# Altium PCB WordClock2.PcbDoc (part 1 of 3) (continued)
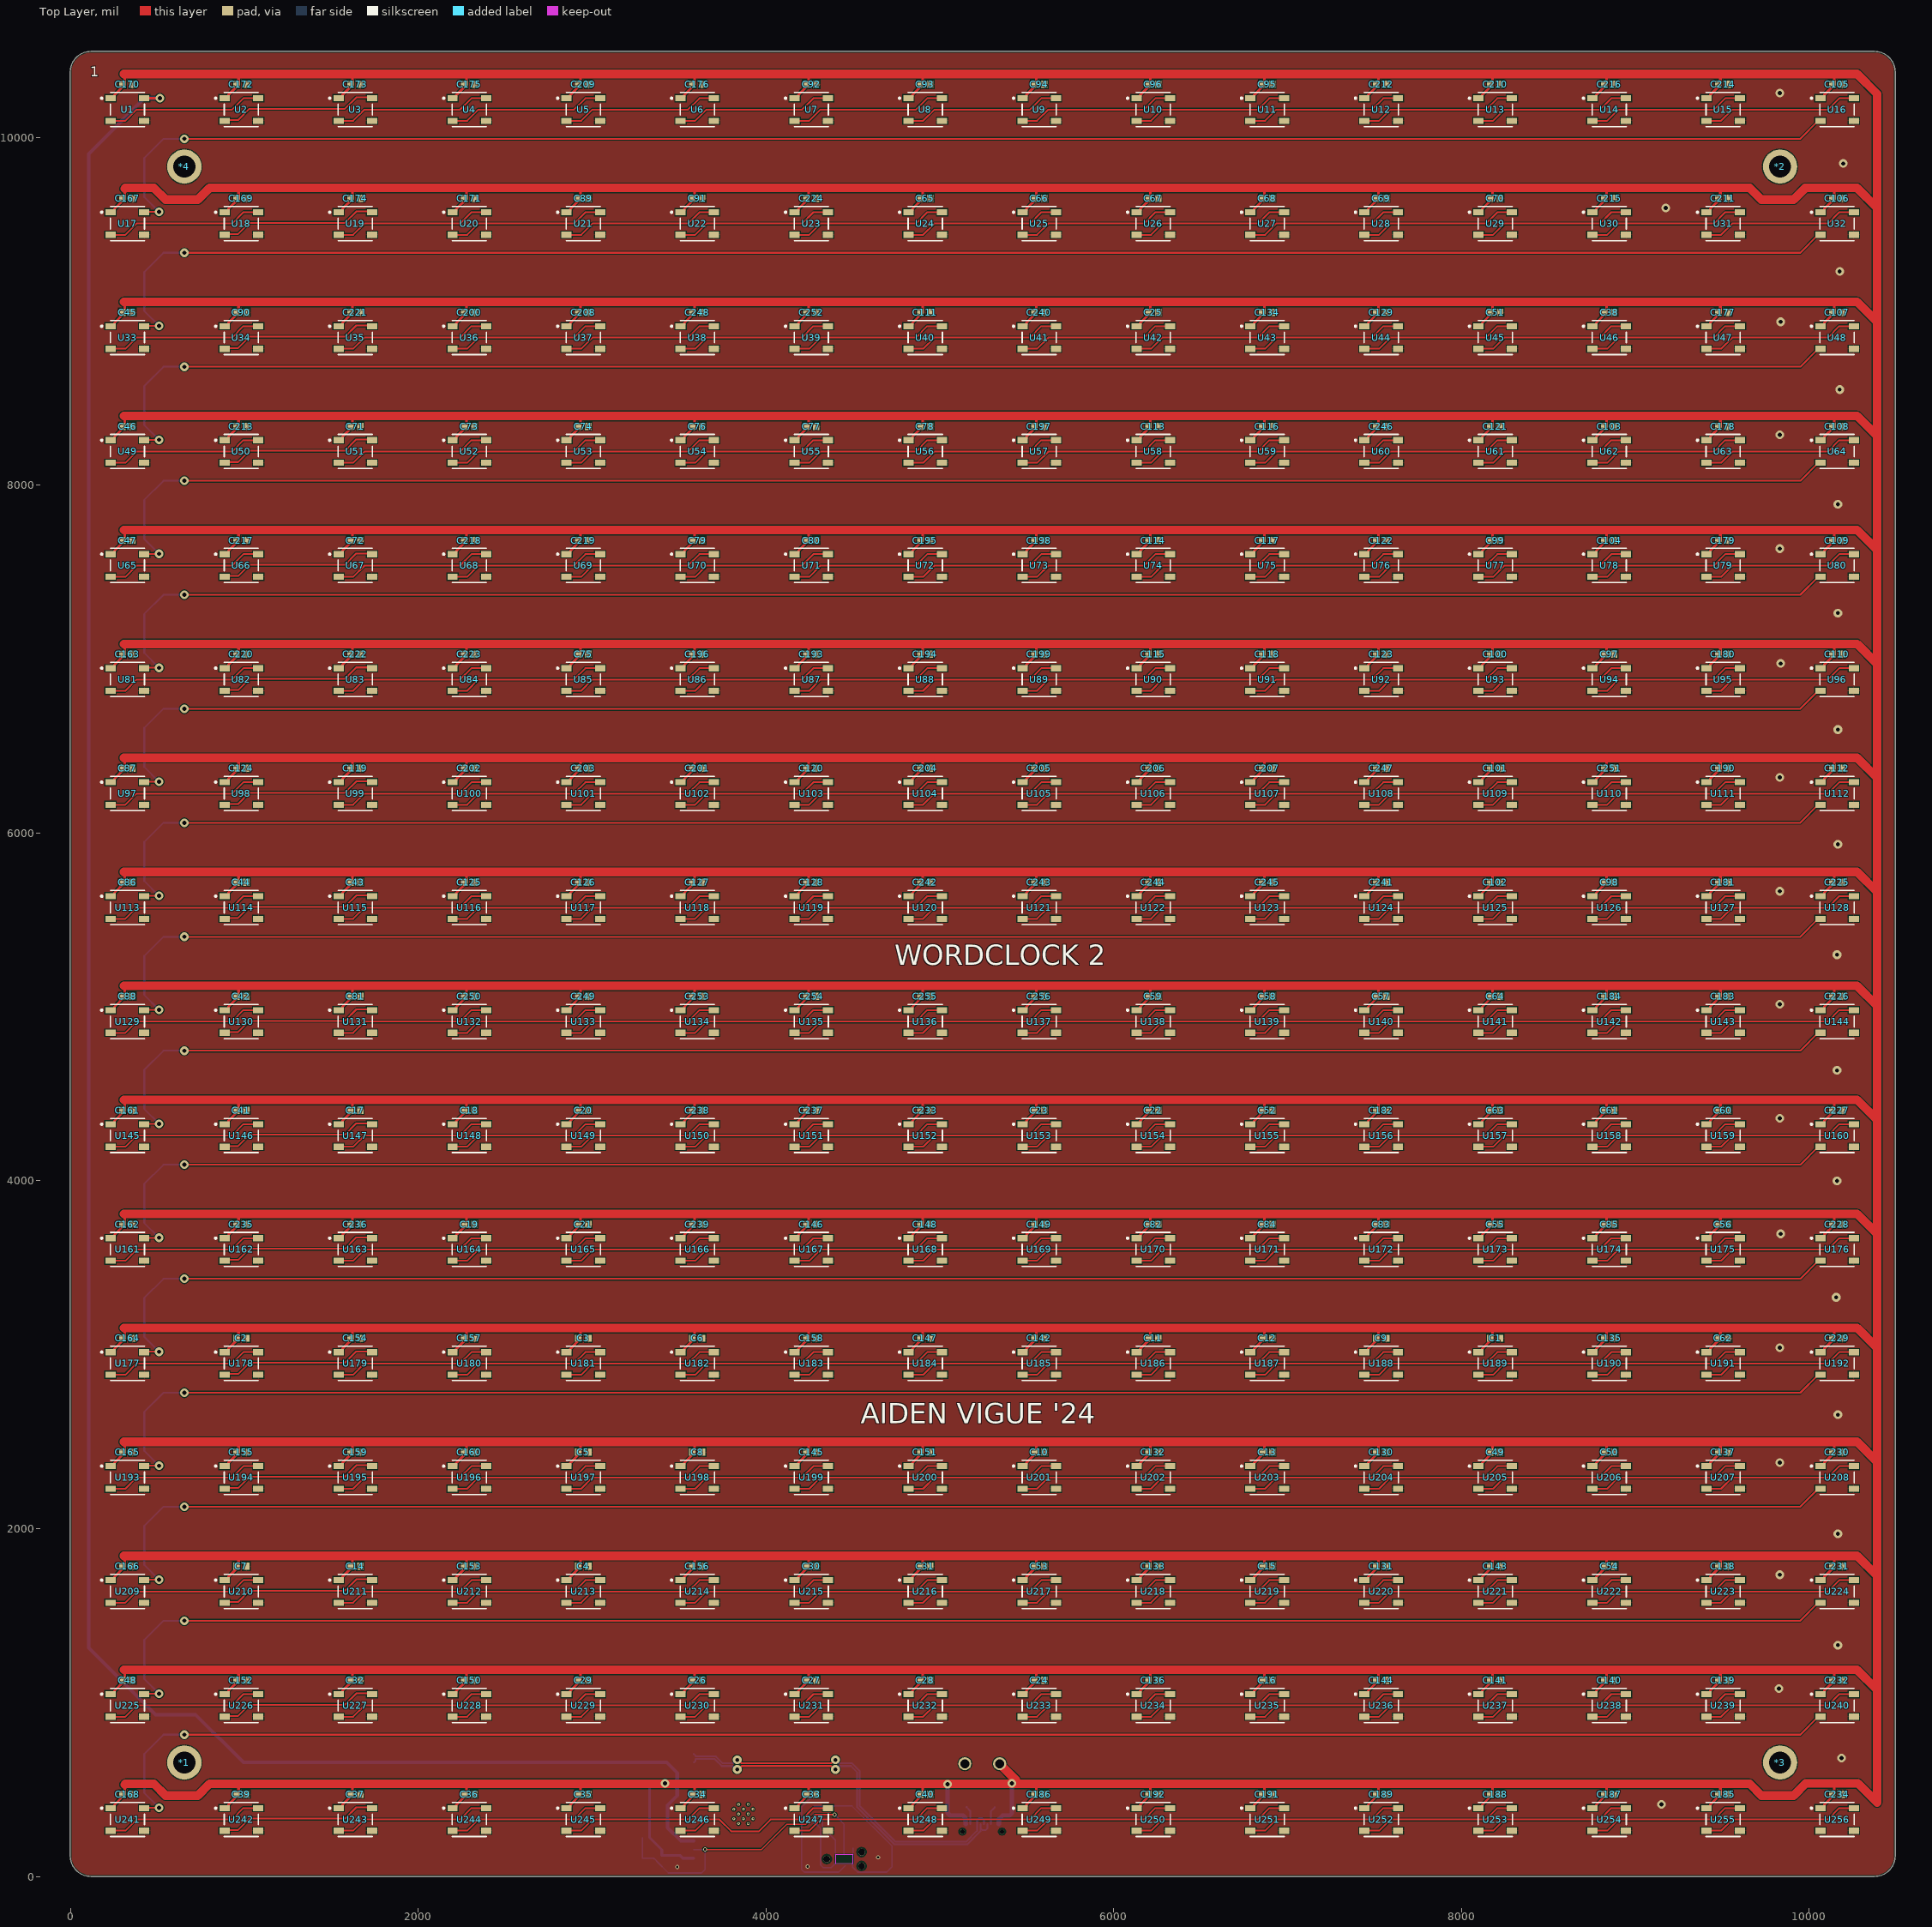
[diagram p0: Top Layer view]
## Components (designator, comment, footprint, x,y, rotation, side; value= is the part's Value field where it differs from the comment) (continued)
C106 "GRM188R71H104KA93D" CAPC1608X90X35ML10T15 10160.43,9649.92 r0 top
C107 "GRM188R71H104KA93D" CAPC1608X90X35ML10T15 10160.43,8994.41 r0 top
C108 "GRM188R71H104KA93D" CAPC1608X90X35ML10T15 10160.43,8338.9 r0 top
C109 "GRM188R71H104KA93D" CAPC1608X90X35ML10T15 10160.43,7683.39 r0 top
C110 "GRM188R71H104KA93D" CAPC1608X90X35ML10T15 10160.43,7027.87 r0 top
C111 "GRM188R71H104KA93D" CAPC1608X90X35ML10T15 4916.34,8994.41 r0 top
C112 "GRM188R71H104KA93D" CAPC1608X90X35ML10T15 10160.43,6372.36 r0 top
C113 "GRM188R71H104KA93D" CAPC1608X90X35ML10T15 6227.36,8338.9 r0 top
C114 "GRM188R71H104KA93D" CAPC1608X90X35ML10T15 6227.36,7683.39 r0 top
C115 "GRM188R71H104KA93D" CAPC1608X90X35ML10T15 6227.36,7027.87 r0 top
C116 "GRM188R71H104KA93D" CAPC1608X90X35ML10T15 6882.87,8338.9 r0 top
C117 "GRM188R71H104KA93D" CAPC1608X90X35ML10T15 6882.87,7683.39 r0 top
C118 "GRM188R71H104KA93D" CAPC1608X90X35ML10T15 6882.87,7027.87 r0 top
C119 "GRM188R71H104KA93D" CAPC1608X90X35ML10T15 1638.78,6372.36 r0 top
C120 "GRM188R71H104KA93D" CAPC1608X90X35ML10T15 4260.83,6372.36 r0 top
C121 "GRM188R71H104KA93D" CAPC1608X90X35ML10T15 8193.9,8338.9 r0 top
C122 "GRM188R71H104KA93D" CAPC1608X90X35ML10T15 7538.39,7683.39 r0 top
C123 "GRM188R71H104KA93D" CAPC1608X90X35ML10T15 7538.39,7027.87 r0 top
C124 "GRM188R71H104KA93D" CAPC1608X90X35ML10T15 983.27,6372.36 r0 top
C125 "GRM188R71H104KA93D" CAPC1608X90X35ML10T15 2294.29,5716.85 r0 top
C126 "GRM188R71H104KA93D" CAPC1608X90X35ML10T15 2949.8,5716.85 r0 top
C127 "GRM188R71H104KA93D" CAPC1608X90X35ML10T15 3605.31,5716.85 r0 top
C128 "GRM188R71H104KA93D" CAPC1608X90X35ML10T15 4260.83,5716.85 r0 top
C129 "GRM188R71H104KA93D" CAPC1608X90X35ML10T15 7538.39,8994.41 r0 top
C130 "GRM188R71H104KA93D" CAPC1608X90X35ML10T15 7538.39,2439.29 r0 top
C131 "GRM188R71H104KA93D" CAPC1608X90X35ML10T15 7538.39,1783.78 r0 top
C132 "GRM188R71H104KA93D" CAPC1608X90X35ML10T15 6227.36,2439.29 r0 top
C133 "GRM188R71H104KA93D" CAPC1608X90X35ML10T15 6227.36,1783.78 r0 top
C134 "GRM188R71H104KA93D" CAPC1608X90X35ML10T15 6882.87,8994.41 r0 top
C135 "GRM188R71H104KA93D" CAPC1608X90X35ML10T15 8849.41,3094.8 r0 top
C136 "GRM188R71H104KA93D" CAPC1608X90X35ML10T15 6227.36,1128.27 r0 top
C137 "GRM188R71H104KA93D" CAPC1608X90X35ML10T15 9504.92,2439.29 r0 top
C138 "GRM188R71H104KA93D" CAPC1608X90X35ML10T15 9504.92,1783.78 r0 top
C139 "GRM188R71H104KA93D" CAPC1608X90X35ML10T15 9504.92,1128.27 r0 top
C140 "GRM188R71H104KA93D" CAPC1608X90X35ML10T15 8849.41,1128.27 r0 top
C141 "GRM188R71H104KA93D" CAPC1608X90X35ML10T15 8193.9,1128.27 r0 top
C142 "GRM188R71H104KA93D" CAPC1608X90X35ML10T15 5571.85,3094.8 r0 top
C143 "GRM188R71H104KA93D" CAPC1608X90X35ML10T15 8193.9,1783.78 r0 top
C144 "GRM188R71H104KA93D" CAPC1608X90X35ML10T15 7538.39,1128.27 r0 top
C145 "GRM188R71H104KA93D" CAPC1608X90X35ML10T15 4260.83,2439.29 r0 top
C146 "GRM188R71H104KA93D" CAPC1608X90X35ML10T15 4260.83,3750.32 r0 top
C147 "GRM188R71H104KA93D" CAPC1608X90X35ML10T15 4916.34,3094.8 r0 top
C148 "GRM188R71H104KA93D" CAPC1608X90X35ML10T15 4916.34,3750.32 r0 top
C149 "GRM188R71H104KA93D" CAPC1608X90X35ML10T15 5571.85,3750.32 r0 top
C150 "GRM188R71H104KA93D" CAPC1608X90X35ML10T15 2294.29,1128.27 r0 top
C151 "GRM188R71H104KA93D" CAPC1608X90X35ML10T15 4916.34,2439.29 r0 top
C152 "GRM188R71H104KA93D" CAPC1608X90X35ML10T15 983.27,1128.27 r0 top
C153 "GRM188R71H104KA93D" CAPC1608X90X35ML10T15 2294.29,1783.78 r0 top
C154 "GRM188R71H104KA93D" CAPC1608X90X35ML10T15 1638.78,3094.8 r0 top
C155 "GRM188R71H104KA93D" CAPC1608X90X35ML10T15 983.27,2439.29 r0 top
C156 "GRM188R71H104KA93D" CAPC1608X90X35ML10T15 3605.31,1783.78 r0 top
C157 "GRM188R71H104KA93D" CAPC1608X90X35ML10T15 2294.29,3094.8 r0 top
C158 "GRM188R71H104KA93D" CAPC1608X90X35ML10T15 4260.83,3094.8 r0 top
C159 "GRM188R71H104KA93D" CAPC1608X90X35ML10T15 1638.78,2439.29 r0 top
C160 "GRM188R71H104KA93D" CAPC1608X90X35ML10T15 2294.29,2439.29 r0 top
C161 "GRM188R71H104KA93D" CAPC1608X90X35ML10T15 327.76,4405.83 r0 top
C162 "GRM188R71H104KA93D" CAPC1608X90X35ML10T15 327.76,3750.32 r0 top
C163 "GRM188R71H104KA93D" CAPC1608X90X35ML10T15 327.76,7027.87 r0 top
C164 "GRM188R71H104KA93D" CAPC1608X90X35ML10T15 327.76,3094.8 r0 top
C165 "GRM188R71H104KA93D" CAPC1608X90X35ML10T15 327.76,2439.29 r0 top
C166 "GRM188R71H104KA93D" CAPC1608X90X35ML10T15 327.76,1783.78 r0 top
C167 "GRM188R71H104KA93D" CAPC1608X90X35ML10T15 327.76,9649.92 r0 top
C168 "GRM188R71H104KA93D" CAPC1608X90X35ML10T15 327.76,472.76 r0 top
C169 "GRM188R71H104KA93D" CAPC1608X90X35ML10T15 983.27,9649.92 r0 top
C170 "GRM188R71H104KA93D" CAPC1608X90X35ML10T15 327.76,10305.43 r0 top
C171 "GRM188R71H104KA93D" CAPC1608X90X35ML10T15 2294.29,9649.92 r0 top
C172 "GRM188R71H104KA93D" CAPC1608X90X35ML10T15 983.27,10305.43 r0 top
C173 "GRM188R71H104KA93D" CAPC1608X90X35ML10T15 1638.78,10305.43 r0 top
C174 "GRM188R71H104KA93D" CAPC1608X90X35ML10T15 1638.78,9649.92 r0 top
C175 "GRM188R71H104KA93D" CAPC1608X90X35ML10T15 2294.29,10305.43 r0 top
C176 "GRM188R71H104KA93D" CAPC1608X90X35ML10T15 3605.31,10305.43 r0 top
C177 "GRM188R71H104KA93D" CAPC1608X90X35ML10T15 9504.92,8994.41 r0 top
C178 "GRM188R71H104KA93D" CAPC1608X90X35ML10T15 9504.92,8338.9 r0 top
C179 "GRM188R71H104KA93D" CAPC1608X90X35ML10T15 9504.92,7683.39 r0 top
C180 "GRM188R71H104KA93D" CAPC1608X90X35ML10T15 9504.92,7027.87 r0 top
C181 "GRM188R71H104KA93D" CAPC1608X90X35ML10T15 9504.92,5716.85 r0 top
C182 "GRM188R71H104KA93D" CAPC1608X90X35ML10T15 7538.39,4405.83 r0 top
C183 "GRM188R71H104KA93D" CAPC1608X90X35ML10T15 9504.92,5061.34 r0 top
C184 "GRM188R71H104KA93D" CAPC1608X90X35ML10T15 8849.41,5061.34 r0 top
C185 "GRM188R71H104KA93D" CAPC1608X90X35ML10T15 9504.92,472.76 r0 top
C186 "GRM188R71H104KA93D" CAPC1608X90X35ML10T15 5571.85,472.76 r0 top
C187 "GRM188R71H104KA93D" CAPC1608X90X35ML10T15 8849.41,472.76 r0 top
C188 "GRM188R71H104KA93D" CAPC1608X90X35ML10T15 8193.9,472.76 r0 top
C189 "GRM188R71H104KA93D" CAPC1608X90X35ML10T15 7538.39,472.76 r0 top
C190 "GRM188R71H104KA93D" CAPC1608X90X35ML10T15 9504.92,6372.36 r0 top
C191 "GRM188R71H104KA93D" CAPC1608X90X35ML10T15 6882.87,472.76 r0 top
C192 "GRM188R71H104KA93D" CAPC1608X90X35ML10T15 6227.36,472.76 r0 top
C193 "GRM188R71H104KA93D" CAPC1608X90X35ML10T15 4260.83,7027.87 r0 top
C194 "GRM188R71H104KA93D" CAPC1608X90X35ML10T15 4916.34,7027.87 r0 top
C195 "GRM188R71H104KA93D" CAPC1608X90X35ML10T15 4916.34,7683.39 r0 top
C196 "GRM188R71H104KA93D" CAPC1608X90X35ML10T15 3605.31,7027.87 r0 top
C197 "GRM188R71H104KA93D" CAPC1608X90X35ML10T15 5571.85,8338.9 r0 top
C198 "GRM188R71H104KA93D" CAPC1608X90X35ML10T15 5571.85,7683.39 r0 top
C199 "GRM188R71H104KA93D" CAPC1608X90X35ML10T15 5571.85,7027.87 r0 top
C200 "GRM188R71H104KA93D" CAPC1608X90X35ML10T15 2294.29,8994.41 r0 top
C201 "GRM188R71H104KA93D" CAPC1608X90X35ML10T15 3605.31,6372.36 r0 top
C202 "GRM188R71H104KA93D" CAPC1608X90X35ML10T15 2294.29,6372.36 r0 top
C203 "GRM188R71H104KA93D" CAPC1608X90X35ML10T15 2949.8,6372.36 r0 top
C204 "GRM188R71H104KA93D" CAPC1608X90X35ML10T15 4916.34,6372.36 r0 top
C205 "GRM188R71H104KA93D" CAPC1608X90X35ML10T15 5571.85,6372.36 r0 top
C206 "GRM188R71H104KA93D" CAPC1608X90X35ML10T15 6227.36,6372.36 r0 top
C207 "GRM188R71H104KA93D" CAPC1608X90X35ML10T15 6882.87,6372.36 r0 top
C208 "GRM188R71H104KA93D" CAPC1608X90X35ML10T15 2949.8,8994.41 r0 top
C209 "GRM188R71H104KA93D" CAPC1608X90X35ML10T15 2949.8,10305.43 r0 top
C210 "GRM188R71H104KA93D" CAPC1608X90X35ML10T15 8193.9,10305.43 r0 top
C211 "GRM188R71H104KA93D" CAPC1608X90X35ML10T15 9504.92,9649.92 r0 top
C212 "GRM188R71H104KA93D" CAPC1608X90X35ML10T15 7538.39,10305.43 r0 top
C213 "GRM188R71H104KA93D" CAPC1608X90X35ML10T15 983.27,8338.9 r0 top
C214 "GRM188R71H104KA93D" CAPC1608X90X35ML10T15 9504.92,10305.43 r0 top
C215 "GRM188R71H104KA93D" CAPC1608X90X35ML10T15 8849.41,9649.92 r0 top
C216 "GRM188R71H104KA93D" CAPC1608X90X35ML10T15 8849.41,10305.43 r0 top
C217 "GRM188R71H104KA93D" CAPC1608X90X35ML10T15 983.27,7683.39 r0 top
C218 "GRM188R71H104KA93D" CAPC1608X90X35ML10T15 2294.29,7683.39 r0 top
C219 "GRM188R71H104KA93D" CAPC1608X90X35ML10T15 2949.8,7683.39 r0 top
C220 "GRM188R71H104KA93D" CAPC1608X90X35ML10T15 983.27,7027.87 r0 top
C221 "GRM188R71H104KA93D" CAPC1608X90X35ML10T15 1638.78,8994.41 r0 top
C222 "GRM188R71H104KA93D" CAPC1608X90X35ML10T15 1638.78,7027.87 r0 top
C223 "GRM188R71H104KA93D" CAPC1608X90X35ML10T15 2294.29,7027.87 r0 top
C224 "GRM188R71H104KA93D" CAPC1608X90X35ML10T15 4260.83,9649.92 r0 top
C225 "GRM188R71H104KA93D" CAPC1608X90X35ML10T15 10160.43,5716.85 r0 top
C226 "GRM188R71H104KA93D" CAPC1608X90X35ML10T15 10160.43,5061.34 r0 top
C227 "GRM188R71H104KA93D" CAPC1608X90X35ML10T15 10160.43,4405.83 r0 top
C228 "GRM188R71H104KA93D" CAPC1608X90X35ML10T15 10160.43,3750.32 r0 top
C229 "GRM188R71H104KA93D" CAPC1608X90X35ML10T15 10160.43,3094.8 r0 top
C230 "GRM188R71H104KA93D" CAPC1608X90X35ML10T15 10160.43,2439.29 r0 top
C231 "GRM188R71H104KA93D" CAPC1608X90X35ML10T15 10160.43,1783.78 r0 top
C232 "GRM188R71H104KA93D" CAPC1608X90X35ML10T15 10160.43,1128.27 r0 top
C233 "GRM188R71H104KA93D" CAPC1608X90X35ML10T15 4916.34,4405.83 r0 top
C234 "GRM188R71H104KA93D" CAPC1608X90X35ML10T15 10160.43,472.76 r0 top
C235 "GRM188R71H104KA93D" CAPC1608X90X35ML10T15 983.27,3750.32 r0 top
C236 "GRM188R71H104KA93D" CAPC1608X90X35ML10T15 1638.78,3750.32 r0 top
C237 "GRM188R71H104KA93D" CAPC1608X90X35ML10T15 4260.83,4405.83 r0 top
C238 "GRM188R71H104KA93D" CAPC1608X90X35ML10T15 3605.31,4405.83 r0 top
C239 "GRM188R71H104KA93D" CAPC1608X90X35ML10T15 3605.31,3750.32 r0 top
C240 "GRM188R71H104KA93D" CAPC1608X90X35ML10T15 5571.85,8994.41 r0 top
C241 "GRM188R71H104KA93D" CAPC1608X90X35ML10T15 7538.39,5716.85 r0 top
C242 "GRM188R71H104KA93D" CAPC1608X90X35ML10T15 4916.34,5716.85 r0 top
C243 "GRM188R71H104KA93D" CAPC1608X90X35ML10T15 5571.85,5716.85 r0 top
C244 "GRM188R71H104KA93D" CAPC1608X90X35ML10T15 6227.36,5716.85 r0 top
C245 "GRM188R71H104KA93D" CAPC1608X90X35ML10T15 6882.87,5716.85 r0 top
C246 "GRM188R71H104KA93D" CAPC1608X90X35ML10T15 7538.39,8338.9 r0 top
C247 "GRM188R71H104KA93D" CAPC1608X90X35ML10T15 7538.39,6372.36 r0 top
C248 "GRM188R71H104KA93D" CAPC1608X90X35ML10T15 3605.31,8994.41 r0 top
C249 "GRM188R71H104KA93D" CAPC1608X90X35ML10T15 2949.8,5061.34 r0 top
C250 "GRM188R71H104KA93D" CAPC1608X90X35ML10T15 2294.29,5061.34 r0 top
C251 "GRM188R71H104KA93D" CAPC1608X90X35ML10T15 8849.41,6372.36 r0 top
C252 "GRM188R71H104KA93D" CAPC1608X90X35ML10T15 4260.83,8994.41 r0 top
C253 "GRM188R71H104KA93D" CAPC1608X90X35ML10T15 3605.31,5061.34 r0 top
C254 "GRM188R71H104KA93D" CAPC1608X90X35ML10T15 4260.83,5061.34 r0 top
C255 "GRM188R71H104KA93D" CAPC1608X90X35ML10T15 4916.34,5061.34 r0 top
C256 "GRM188R71H104KA93D" CAPC1608X90X35ML10T15 5571.85,5061.34 r0 top
C257 "CL05A226MQ5QUNC" FP-CL746-IPC_C 3401.04,105 r270 bottom
C258 "CL05A226MQ5QUNC" FP-CL746-IPC_C 3467.08,105 r270 bottom
E1 "1760490000" PM_5_08_90_02 5244.09,656 r180 bottom
J1 "USB4110-GF-A" FP-USB4110-GF-A-MFG 5244.09,155 r180 bottom
J2 "TC2030-IDC-NL" TAG_TC2030-IDC-NL 4450,100 r0 bottom
R1 "CRCW060310K0FKEA" RESC1609X50X30NL8T20 3315,223.2 r180 bottom
R2 "CRCW06035K10FKEA" FP-CRCW0603-e3-IPC_C 5340,398.79 r180 bottom
R3 "CRCW06035K10FKEA" FP-CRCW0603-e3-IPC_C 5130,400 r0 bottom
SW1 "147873-1" FP-147873-1-MFG 3195,105 r0 bottom
U1 "1655" ADA-RGB-1655_V 327.76,10160.43 r0 top
U2 "1655" ADA-RGB-1655_V 983.27,10160.43 r0 top
U3 "1655" ADA-RGB-1655_V 1638.78,10160.43 r0 top
U4 "1655" ADA-RGB-1655_V 2294.29,10160.43 r0 top
U5 "1655" ADA-RGB-1655_V 2949.8,10160.43 r0 top
U6 "1655" ADA-RGB-1655_V 3605.31,10160.43 r0 top
U7 "1655" ADA-RGB-1655_V 4260.83,10160.43 r0 top
U8 "1655" ADA-RGB-1655_V 4916.34,10160.43 r0 top
U9 "1655" ADA-RGB-1655_V 5571.85,10160.43 r0 top
U10 "1655" ADA-RGB-1655_V 6227.36,10160.43 r0 top
U11 "1655" ADA-RGB-1655_V 6882.87,10160.43 r0 top
U12 "1655" ADA-RGB-1655_V 7538.39,10160.43 r0 top
U13 "1655" ADA-RGB-1655_V 8193.9,10160.43 r0 top
U14 "1655" ADA-RGB-1655_V 8849.41,10160.43 r0 top
U15 "1655" ADA-RGB-1655_V 9504.92,10160.43 r0 top
U16 "1655" ADA-RGB-1655_V 10160.43,10160.43 r0 top
U17 "1655" ADA-RGB-1655_V 327.76,9504.92 r0 top
U18 "1655" ADA-RGB-1655_V 983.27,9504.92 r0 top
U19 "1655" ADA-RGB-1655_V 1638.78,9504.92 r0 top
U20 "1655" ADA-RGB-1655_V 2294.29,9504.92 r0 top
U21 "1655" ADA-RGB-1655_V 2949.8,9504.92 r0 top
U22 "1655" ADA-RGB-1655_V 3605.31,9504.92 r0 top
U23 "1655" ADA-RGB-1655_V 4260.83,9504.92 r0 top
U24 "1655" ADA-RGB-1655_V 4916.34,9504.92 r0 top
U25 "1655" ADA-RGB-1655_V 5571.85,9504.92 r0 top
U26 "1655" ADA-RGB-1655_V 6227.36,9504.92 r0 top
U27 "1655" ADA-RGB-1655_V 6882.87,9504.92 r0 top
U28 "1655" ADA-RGB-1655_V 7538.39,9504.92 r0 top
U29 "1655" ADA-RGB-1655_V 8193.9,9504.92 r0 top
U30 "1655" ADA-RGB-1655_V 8849.41,9504.92 r0 top
U31 "1655" ADA-RGB-1655_V 9504.92,9504.92 r0 top
U32 "1655" ADA-RGB-1655_V 10160.43,9504.92 r0 top
U33 "1655" ADA-RGB-1655_V 327.76,8849.41 r0 top
U34 "1655" ADA-RGB-1655_V 983.27,8849.41 r0 top
U35 "1655" ADA-RGB-1655_V 1638.78,8849.41 r0 top
U36 "1655" ADA-RGB-1655_V 2294.29,8849.41 r0 top
U37 "1655" ADA-RGB-1655_V 2949.8,8849.41 r0 top
U38 "1655" ADA-RGB-1655_V 3605.31,8849.41 r0 top
U39 "1655" ADA-RGB-1655_V 4260.83,8849.41 r0 top
U40 "1655" ADA-RGB-1655_V 4916.34,8849.41 r0 top
U41 "1655" ADA-RGB-1655_V 5571.85,8849.41 r0 top
U42 "1655" ADA-RGB-1655_V 6227.36,8849.41 r0 top
U43 "1655" ADA-RGB-1655_V 6882.87,8849.41 r0 top
U44 "1655" ADA-RGB-1655_V 7538.39,8849.41 r0 top
U45 "1655" ADA-RGB-1655_V 8193.9,8849.41 r0 top
U46 "1655" ADA-RGB-1655_V 8849.41,8849.41 r0 top
U47 "1655" ADA-RGB-1655_V 9504.92,8849.41 r0 top
U48 "1655" ADA-RGB-1655_V 10160.43,8849.41 r0 top
U49 "1655" ADA-RGB-1655_V 327.76,8193.9 r0 top
U50 "1655" ADA-RGB-1655_V 983.27,8193.9 r0 top
U51 "1655" ADA-RGB-1655_V 1638.78,8193.9 r0 top
U52 "1655" ADA-RGB-1655_V 2294.29,8193.9 r0 top
U53 "1655" ADA-RGB-1655_V 2949.8,8193.9 r0 top
U54 "1655" ADA-RGB-1655_V 3605.31,8193.9 r0 top
U55 "1655" ADA-RGB-1655_V 4260.83,8193.9 r0 top
U56 "1655" ADA-RGB-1655_V 4916.34,8193.9 r0 top
U57 "1655" ADA-RGB-1655_V 5571.85,8193.9 r0 top
U58 "1655" ADA-RGB-1655_V 6227.36,8193.9 r0 top
U59 "1655" ADA-RGB-1655_V 6882.87,8193.9 r0 top
U60 "1655" ADA-RGB-1655_V 7538.39,8193.9 r0 top
U61 "1655" ADA-RGB-1655_V 8193.9,8193.9 r0 top
U62 "1655" ADA-RGB-1655_V 8849.41,8193.9 r0 top
U63 "1655" ADA-RGB-1655_V 9504.92,8193.9 r0 top
U64 "1655" ADA-RGB-1655_V 10160.43,8193.9 r0 top
U65 "1655" ADA-RGB-1655_V 327.76,7538.39 r0 top
U66 "1655" ADA-RGB-1655_V 983.27,7538.39 r0 top
U67 "1655" ADA-RGB-1655_V 1638.78,7538.39 r0 top
U68 "1655" ADA-RGB-1655_V 2294.29,7538.39 r0 top
U69 "1655" ADA-RGB-1655_V 2949.8,7538.39 r0 top
U70 "1655" ADA-RGB-1655_V 3605.31,7538.39 r0 top
U71 "1655" ADA-RGB-1655_V 4260.83,7538.39 r0 top
U72 "1655" ADA-RGB-1655_V 4916.34,7538.39 r0 top
U73 "1655" ADA-RGB-1655_V 5571.85,7538.39 r0 top
U74 "1655" ADA-RGB-1655_V 6227.36,7538.39 r0 top
U75 "1655" ADA-RGB-1655_V 6882.87,7538.39 r0 top
U76 "1655" ADA-RGB-1655_V 7538.39,7538.39 r0 top
U77 "1655" ADA-RGB-1655_V 8193.9,7538.39 r0 top
U78 "1655" ADA-RGB-1655_V 8849.41,7538.39 r0 top
U79 "1655" ADA-RGB-1655_V 9504.92,7538.39 r0 top
U80 "1655" ADA-RGB-1655_V 10160.43,7538.39 r0 top
U81 "1655" ADA-RGB-1655_V 327.76,6882.87 r0 top
U82 "1655" ADA-RGB-1655_V 983.27,6882.87 r0 top
U83 "1655" ADA-RGB-1655_V 1638.78,6882.87 r0 top
U84 "1655" ADA-RGB-1655_V 2294.29,6882.87 r0 top
U85 "1655" ADA-RGB-1655_V 2949.8,6882.87 r0 top
U86 "1655" ADA-RGB-1655_V 3605.31,6882.87 r0 top
U87 "1655" ADA-RGB-1655_V 4260.83,6882.87 r0 top
U88 "1655" ADA-RGB-1655_V 4916.34,6882.87 r0 top
U89 "1655" ADA-RGB-1655_V 5571.85,6882.87 r0 top
U90 "1655" ADA-RGB-1655_V 6227.36,6882.87 r0 top
U91 "1655" ADA-RGB-1655_V 6882.87,6882.87 r0 top
U92 "1655" ADA-RGB-1655_V 7538.39,6882.87 r0 top
U93 "1655" ADA-RGB-1655_V 8193.9,6882.87 r0 top
U94 "1655" ADA-RGB-1655_V 8849.41,6882.87 r0 top
U95 "1655" ADA-RGB-1655_V 9504.92,6882.87 r0 top
U96 "1655" ADA-RGB-1655_V 10160.43,6882.87 r0 top
U97 "1655" ADA-RGB-1655_V 327.76,6227.36 r0 top
U98 "1655" ADA-RGB-1655_V 983.27,6227.36 r0 top
U99 "1655" ADA-RGB-1655_V 1638.78,6227.36 r0 top
U100 "1655" ADA-RGB-1655_V 2294.29,6227.36 r0 top
U101 "1655" ADA-RGB-1655_V 2949.8,6227.36 r0 top
U102 "1655" ADA-RGB-1655_V 3605.31,6227.36 r0 top
U103 "1655" ADA-RGB-1655_V 4260.83,6227.36 r0 top
U104 "1655" ADA-RGB-1655_V 4916.34,6227.36 r0 top
U105 "1655" ADA-RGB-1655_V 5571.85,6227.36 r0 top
U106 "1655" ADA-RGB-1655_V 6227.36,6227.36 r0 top
U107 "1655" ADA-RGB-1655_V 6882.87,6227.36 r0 top
U108 "1655" ADA-RGB-1655_V 7538.39,6227.36 r0 top
U109 "1655" ADA-RGB-1655_V 8193.9,6227.36 r0 top
U110 "1655" ADA-RGB-1655_V 8849.41,6227.36 r0 top
U111 "1655" ADA-RGB-1655_V 9504.92,6227.36 r0 top
U112 "1655" ADA-RGB-1655_V 10160.43,6227.36 r0 top
U113 "1655" ADA-RGB-1655_V 327.76,5571.85 r0 top
U114 "1655" ADA-RGB-1655_V 983.27,5571.85 r0 top
U115 "1655" ADA-RGB-1655_V 1638.78,5571.85 r0 top
U116 "1655" ADA-RGB-1655_V 2294.29,5571.85 r0 top
U117 "1655" ADA-RGB-1655_V 2949.8,5571.85 r0 top
U118 "1655" ADA-RGB-1655_V 3605.31,5571.85 r0 top
U119 "1655" ADA-RGB-1655_V 4260.83,5571.85 r0 top
U120 "1655" ADA-RGB-1655_V 4916.34,5571.85 r0 top
U121 "1655" ADA-RGB-1655_V 5571.85,5571.85 r0 top
U122 "1655" ADA-RGB-1655_V 6227.36,5571.85 r0 top
U123 "1655" ADA-RGB-1655_V 6882.87,5571.85 r0 top
U124 "1655" ADA-RGB-1655_V 7538.39,5571.85 r0 top
U125 "1655" ADA-RGB-1655_V 8193.9,5571.85 r0 top
U126 "1655" ADA-RGB-1655_V 8849.41,5571.85 r0 top
U127 "1655" ADA-RGB-1655_V 9504.92,5571.85 r0 top
U128 "1655" ADA-RGB-1655_V 10160.43,5571.85 r0 top
U129 "1655" ADA-RGB-1655_V 327.76,4916.34 r0 top
U130 "1655" ADA-RGB-1655_V 983.27,4916.34 r0 top
U131 "1655" ADA-RGB-1655_V 1638.78,4916.34 r0 top
U132 "1655" ADA-RGB-1655_V 2294.29,4916.34 r0 top
U133 "1655" ADA-RGB-1655_V 2949.8,4916.34 r0 top
U134 "1655" ADA-RGB-1655_V 3605.31,4916.34 r0 top
U135 "1655" ADA-RGB-1655_V 4260.83,4916.34 r0 top
U136 "1655" ADA-RGB-1655_V 4916.34,4916.34 r0 top
U137 "1655" ADA-RGB-1655_V 5571.85,4916.34 r0 top
U138 "1655" ADA-RGB-1655_V 6227.36,4916.34 r0 top
U139 "1655" ADA-RGB-1655_V 6882.87,4916.34 r0 top
U140 "1655" ADA-RGB-1655_V 7538.39,4916.34 r0 top
U141 "1655" ADA-RGB-1655_V 8193.9,4916.34 r0 top
U142 "1655" ADA-RGB-1655_V 8849.41,4916.34 r0 top
U143 "1655" ADA-RGB-1655_V 9504.92,4916.34 r0 top
U144 "1655" ADA-RGB-1655_V 10160.43,4916.34 r0 top
U145 "1655" ADA-RGB-1655_V 327.76,4260.83 r0 top
U146 "1655" ADA-RGB-1655_V 983.27,4260.83 r0 top
U147 "1655" ADA-RGB-1655_V 1638.78,4260.83 r0 top
U148 "1655" ADA-RGB-1655_V 2294.29,4260.83 r0 top
U149 "1655" ADA-RGB-1655_V 2949.8,4260.83 r0 top
U150 "1655" ADA-RGB-1655_V 3605.31,4260.83 r0 top
U151 "1655" ADA-RGB-1655_V 4260.83,4260.83 r0 top
U152 "1655" ADA-RGB-1655_V 4916.34,4260.83 r0 top
U153 "1655" ADA-RGB-1655_V 5571.85,4260.83 r0 top
U154 "1655" ADA-RGB-1655_V 6227.36,4260.83 r0 top
U155 "1655" ADA-RGB-1655_V 6882.87,4260.83 r0 top
U156 "1655" ADA-RGB-1655_V 7538.39,4260.83 r0 top
U157 "1655" ADA-RGB-1655_V 8193.9,4260.83 r0 top
U158 "1655" ADA-RGB-1655_V 8849.41,4260.83 r0 top
U159 "1655" ADA-RGB-1655_V 9504.92,4260.83 r0 top
U160 "1655" ADA-RGB-1655_V 10160.43,4260.83 r0 top
U161 "1655" ADA-RGB-1655_V 327.76,3605.32 r0 top
U162 "1655" ADA-RGB-1655_V 983.27,3605.32 r0 top
U163 "1655" ADA-RGB-1655_V 1638.78,3605.32 r0 top
U164 "1655" ADA-RGB-1655_V 2294.29,3605.32 r0 top
U165 "1655" ADA-RGB-1655_V 2949.8,3605.32 r0 top
U166 "1655" ADA-RGB-1655_V 3605.31,3605.32 r0 top
U167 "1655" ADA-RGB-1655_V 4260.83,3605.32 r0 top
U168 "1655" ADA-RGB-1655_V 4916.34,3605.32 r0 top
U169 "1655" ADA-RGB-1655_V 5571.85,3605.32 r0 top
U170 "1655" ADA-RGB-1655_V 6227.36,3605.32 r0 top
U171 "1655" ADA-RGB-1655_V 6882.87,3605.32 r0 top
U172 "1655" ADA-RGB-1655_V 7538.39,3605.32 r0 top
U173 "1655" ADA-RGB-1655_V 8193.9,3605.32 r0 top
U174 "1655" ADA-RGB-1655_V 8849.41,3605.32 r0 top
U175 "1655" ADA-RGB-1655_V 9504.92,3605.32 r0 top
U176 "1655" ADA-RGB-1655_V 10160.43,3605.32 r0 top
U177 "1655" ADA-RGB-1655_V 327.76,2949.8 r0 top
U178 "1655" ADA-RGB-1655_V 983.27,2949.8 r0 top
U179 "1655" ADA-RGB-1655_V 1638.78,2949.8 r0 top
U180 "1655" ADA-RGB-1655_V 2294.29,2949.8 r0 top
U181 "1655" ADA-RGB-1655_V 2949.8,2949.8 r0 top
U182 "1655" ADA-RGB-1655_V 3605.31,2949.8 r0 top
U183 "1655" ADA-RGB-1655_V 4260.83,2949.8 r0 top
U184 "1655" ADA-RGB-1655_V 4916.34,2949.8 r0 top
U185 "1655" ADA-RGB-1655_V 5571.85,2949.8 r0 top
U186 "1655" ADA-RGB-1655_V 6227.36,2949.8 r0 top
U187 "1655" ADA-RGB-1655_V 6882.87,2949.8 r0 top
U188 "1655" ADA-RGB-1655_V 7538.39,2949.8 r0 top
U189 "1655" ADA-RGB-1655_V 8193.9,2949.8 r0 top
U190 "1655" ADA-RGB-1655_V 8849.41,2949.8 r0 top
U191 "1655" ADA-RGB-1655_V 9504.92,2949.8 r0 top
U192 "1655" ADA-RGB-1655_V 10160.43,2949.8 r0 top
U193 "1655" ADA-RGB-1655_V 327.76,2294.29 r0 top
U194 "1655" ADA-RGB-1655_V 983.27,2294.29 r0 top
U195 "1655" ADA-RGB-1655_V 1638.78,2294.29 r0 top
U196 "1655" ADA-RGB-1655_V 2294.29,2294.29 r0 top
U197 "1655" ADA-RGB-1655_V 2949.8,2294.29 r0 top
U198 "1655" ADA-RGB-1655_V 3605.31,2294.29 r0 top
U199 "1655" ADA-RGB-1655_V 4260.83,2294.29 r0 top
U200 "1655" ADA-RGB-1655_V 4916.34,2294.29 r0 top
U201 "1655" ADA-RGB-1655_V 5571.85,2294.29 r0 top
U202 "1655" ADA-RGB-1655_V 6227.36,2294.29 r0 top
U203 "1655" ADA-RGB-1655_V 6882.87,2294.29 r0 top
U204 "1655" ADA-RGB-1655_V 7538.39,2294.29 r0 top
U205 "1655" ADA-RGB-1655_V 8193.9,2294.29 r0 top
U206 "1655" ADA-RGB-1655_V 8849.41,2294.29 r0 top
U207 "1655" ADA-RGB-1655_V 9504.92,2294.29 r0 top
U208 "1655" ADA-RGB-1655_V 10160.43,2294.29 r0 top
U209 "1655" ADA-RGB-1655_V 327.76,1638.78 r0 top
U210 "1655" ADA-RGB-1655_V 983.27,1638.78 r0 top
U211 "1655" ADA-RGB-1655_V 1638.78,1638.78 r0 top
U212 "1655" ADA-RGB-1655_V 2294.29,1638.78 r0 top
U213 "1655" ADA-RGB-1655_V 2949.8,1638.78 r0 top
U214 "1655" ADA-RGB-1655_V 3605.31,1638.78 r0 top
U215 "1655" ADA-RGB-1655_V 4260.83,1638.78 r0 top
U216 "1655" ADA-RGB-1655_V 4916.34,1638.78 r0 top
U217 "1655" ADA-RGB-1655_V 5571.85,1638.78 r0 top
U218 "1655" ADA-RGB-1655_V 6227.36,1638.78 r0 top
U219 "1655" ADA-RGB-1655_V 6882.87,1638.78 r0 top
U220 "1655" ADA-RGB-1655_V 7538.39,1638.78 r0 top
U221 "1655" ADA-RGB-1655_V 8193.9,1638.78 r0 top
U222 "1655" ADA-RGB-1655_V 8849.41,1638.78 r0 top
U223 "1655" ADA-RGB-1655_V 9504.92,1638.78 r0 top
U224 "1655" ADA-RGB-1655_V 10160.43,1638.78 r0 top
U225 "1655" ADA-RGB-1655_V 327.76,983.27 r0 top
U226 "1655" ADA-RGB-1655_V 983.27,983.27 r0 top
U227 "1655" ADA-RGB-1655_V 1638.78,983.27 r0 top
U228 "1655" ADA-RGB-1655_V 2294.29,983.27 r0 top
U229 "1655" ADA-RGB-1655_V 2949.8,983.27 r0 top
U230 "1655" ADA-RGB-1655_V 3605.31,983.27 r0 top
U231 "1655" ADA-RGB-1655_V 4260.83,983.27 r0 top
U232 "1655" ADA-RGB-1655_V 4916.34,983.27 r0 top
U233 "1655" ADA-RGB-1655_V 5571.85,983.27 r0 top
U234 "1655" ADA-RGB-1655_V 6227.36,983.27 r0 top
U235 "1655" ADA-RGB-1655_V 6882.87,983.27 r0 top
U236 "1655" ADA-RGB-1655_V 7538.39,983.27 r0 top
U237 "1655" ADA-RGB-1655_V 8193.9,983.27 r0 top
U238 "1655" ADA-RGB-1655_V 8849.41,983.27 r0 top
U239 "1655" ADA-RGB-1655_V 9504.92,983.27 r0 top
U240 "1655" ADA-RGB-1655_V 10160.43,983.27 r0 top
U241 "1655" ADA-RGB-1655_V 327.76,327.76 r0 top
U242 "1655" ADA-RGB-1655_V 983.27,327.76 r0 top
U243 "1655" ADA-RGB-1655_V 1638.78,327.76 r0 top
U244 "1655" ADA-RGB-1655_V 2294.29,327.76 r0 top
U245 "1655" ADA-RGB-1655_V 2949.8,327.76 r0 top
U246 "1655" ADA-RGB-1655_V 3605.31,327.76 r0 top
U247 "1655" ADA-RGB-1655_V 4260.83,327.76 r0 top
U248 "1655" ADA-RGB-1655_V 4916.34,327.76 r0 top
U249 "1655" ADA-RGB-1655_V 5571.85,327.76 r0 top
U250 "1655" ADA-RGB-1655_V 6227.36,327.76 r0 top
U251 "1655" ADA-RGB-1655_V 6882.87,327.76 r0 top
U252 "1655" ADA-RGB-1655_V 7538.39,327.76 r0 top
U253 "1655" ADA-RGB-1655_V 8193.9,327.76 r0 top
U254 "1655" ADA-RGB-1655_V 8849.41,327.76 r0 top
U255 "1655" ADA-RGB-1655_V 9504.92,327.76 r0 top
U256 "1655" ADA-RGB-1655_V 10160.43,327.76 r0 top
U257 "ESP32-S3-WROOM-1U" XCVR_ESP32-S3-WROOM-1U 3929.49,386.1 r0 bottom
U258 "LM1117MPX-3.3/NOPB" DCY0004A_L 3330,413.25 r270 bottom

## Footprints (in the part's own frame and the unit in brackets; to place one, negate y for a bottom-side part, rotate by r counter-clockwise, add the part's x,y. Pads: shape width x height; smd on the part's side, far side on the other; paste and mask are expansions set on the pad)
ADA-RGB-1655_V [mm] "SMD, 4-Leads, Body 5x5mm"
  rect 1.5x0.9 smd: 1(-2.45,1.65) 2(-2.45,-1.65) 3(2.45,-1.65) 4(2.45,1.65)
  silkscreen extent -3.87,-2.5 2.5,2.5, body extent -2.7,-2.5 2.7,2.5, height 1.68
CAPC1608X90X35ML10T15 [mm] "Chip Capacitor, 2-Leads, Body 1.7x0.9mm, IPC Low Density"
  rect 0.95x1.05 smd: 1(-0.725,0) 2(0.725,0)
  body extent -0.85,-0.45 0.85,0.45, height 0.9
DCY0004A_L [mm] "SOT223, 4-Leads, Body 6.7x3.7mm, Pitch 2.3mm, IPC High Density"
  rrect11% 1.45x0.9 smd: 1(-3.075,2.3) 2(-3.075,0) 3(-3.075,-2.3)
  rrect7% 1.45x3.15 smd: 4(3.075,0)
  silkscreen extent -3.2,-3.35 2.05,3.42, body extent -3.5,-3.25 3.5,3.25, height 1.62
FP-147873-1-MFG [mm]
  rect 2.8x2.2 smd paste+0 mask+0: 1(-2.4,0) 2(2.4,0)
  silkscreen extent -3.15,-1.9 3.15,1.9, body extent -3.4,-1.75 3.4,1.75, height 5.5
FP-CL746-IPC_C [mil]
  rect 20.29x18.6 smd paste+0 mask+0: 1(-14.9,0) 2(14.9,0)
  silkscreen extent -25,-27 25,27, body extent -20,-10 20,10, height 22
FP-CRCW0603-e3-IPC_C [mil]
  rect 28.94x33.94 smd paste+0 mask+0: 1(-24.23,0) 2(24.23,0)
  silkscreen extent -30,-33 30,33, body extent -31,-17 31,17, height 20
FP-USB4110-GF-A-MFG [mm]
  rect 2.18x2 smd paste+0 mask+0: 1(-5.11,3.105) 2(5.11,3.105) 3(-5.11,-0.825) 4(5.11,-0.825)
  rect 0.6x1.15 smd paste+0 mask+0: A1-B12(-3.2,3.68) A4-B9(-2.4,3.68) B1-A12(3.2,3.68) B4-A9(2.4,3.68)
  rect 0.3x1.15 smd paste+0 mask+0: A5(-1.25,3.68) A6(-0.25,3.68) A7(0.25,3.68) A8(1.25,3.68) B5(1.75,3.68) B6(0.75,3.68) B7(-0.75,3.68) B8(-1.75,3.68)
  round 0.65 hole 0.65 unplated paste-2539.97 mask+0: ""(-2.89,2.605) ""(2.89,2.605)
  silkscreen extent -4.57,-3.64 4.57,4.99, body extent -5.65,-3.67 5.65,4.01, height 3.21
PM_5_08_90_02 [mm] "PM 5.08/02/90 3.5"
  round 1.9 hole 1.3: A1(-2.54,-0.2) A2(2.54,-0.2)
  silkscreen extent -5.58,-4 5.58,4, body extent -5.58,-4 5.58,4, height 10.01
PTH-M3D5X5-Footprint-1 [mm]
  round 5 hole 3.2: 1(0,0)
RESC1609X50X30NL8T20 [mm] "Chip Resistor, 2-Leads, Body 1.65x0.95mm, IPC Medium Density"
  rect 0.8x0.95 smd: 1(-0.65,0) 2(0.65,0)
  body extent -0.82,-0.48 0.82,0.48, height 0.5
TAG_TC2030-IDC-NL [mil]
  round 30.98 smd paste-39.37: 1(-50,-25) 2(-50,25) 3(0,-25) 4(0,25) 5(50,-25) 6(50,25)
  round 39.02 hole 39.02 unplated: ""(-100,0) ""(100,-40) ""(100,40)
  Keep-Out Layer region: 50,-25.03 -50.06,-25.03 -50.06,25 50,25
XCVR_ESP32-S3-WROOM-1U [mm]
  rect 1.5x0.9 smd: 1(-8.75,8.41) 2(-8.75,7.14) 3(-8.75,5.87) 4(-8.75,4.6) 5(-8.75,3.33) 6(-8.75,2.06) 7(-8.75,0.79) 8(-8.75,-0.48) 9(-8.75,-1.75) 10(-8.75,-3.02) 11(-8.75,-4.29) 12(-8.75,-5.56) 13(-8.75,-6.83) 14(-8.75,-8.1) 27(8.75,-8.1) 28(8.75,-6.83) 29(8.75,-5.56) 30(8.75,-4.29) 31(8.75,-3.02) 32(8.75,-1.75) 33(8.75,-0.48) 34(8.75,0.79) 35(8.75,2.06) 36(8.75,3.33) 37(8.75,4.6) 38(8.75,5.87) 39(8.75,7.14) 40(8.75,8.41)
  rect 0.9x1.5 smd: 15(-6.985,-9.35) 16(-5.715,-9.35) 17(-4.445,-9.35) 18(-3.175,-9.35) 19(-1.905,-9.35) 20(-0.635,-9.35) 21(0.635,-9.35) 22(1.905,-9.35) 23(3.175,-9.35) 24(4.445,-9.35) 25(5.715,-9.35) 26(6.985,-9.35)
  rect 0.9x0.9 smd: 41_1(-2.9,2.09) 41_2(-1.5,2.09) 41_3(-0.1,2.09) 41_4(-2.9,0.69) 41_5(-1.5,0.69) 41_6(-0.1,0.69) 41_7(-2.9,-0.71) 41_8(-1.5,-0.71) 41_9(-0.1,-0.71)
  round 0.4 hole 0.2 mask+0: 41_10(-2.2,2.09) 41_11(-0.8,2.09) 41_12(-2.9,1.39) 41_13(-1.5,1.39) 41_14(-0.1,1.39) 41_15(-2.2,0.69) 41_16(-0.8,0.69) 41_17(-2.9,-0.01) 41_18(-1.5,-0.01) 41_19(-0.1,-0.01) 41_20(-2.2,-0.71) 41_21(-0.8,-0.71)
  silkscreen extent -10.6,-9.6 9,9.54, body extent -9,-9.6 9,9.6, height 3.35

## Part data
*1 *2 *3 *4: library part CMP-010-00024-1, "Plated Thru-Hole M3 D5X5", Mounting Technology=TH, Pins=1
C1 C2 C3 C4 C5 C6 C7 C8 C9 C10 C11 C12 C13 C14 C15 C16 C17 C18 C19 C20 C21 C22 C23 C24 C25 C26 C27 C28 C29 C30 C31 C32 C33 C34 C35 C36 C37 C38 C39 C40 C41 C42 C43 C44 C45 C46 C47 C48 C49 C50 C51 C52 C53 C54 C55 C56 C57 C58 C59 C60 C61 C62 C63 C64 C65 C66 C67 C68 C69 C70 C71 C72 C73 C74 C75 C76 C77 C78 C79 C80 C81 C82 C83 C84 C85 C86 C87 C88 C89 C90 C91 C92 C93 C94 C95 C96 C97 C98 C99 C100 C101 C102 C103 C104 C105 C106 C107 C108 C109 C110 C111 C112 C113 C114 C115 C116 C117 C118 C119 C120 C121 C122 C123 C124 C125 C126 C127 C128 C129 C130 C131 C132 C133 C134 C135 C136 C137 C138 C139 C140 C141 C142 C143 C144 C145 C146 C147 C148 C149 C150 C151 C152 C153 C154 C155 C156 C157 C158 C159 C160 C161 C162 C163 C164 C165 C166 C167 C168 C169 C170 C171 C172 C173 C174 C175 C176 C177 C178 C179 C180 C181 C182 C183 C184 C185 C186 C187 C188 C189 C190 C191 C192 C193 C194 C195 C196 C197 C198 C199 C200 C201 C202 C203 C204 C205 C206 C207 C208 C209 C210 C211 C212 C213 C214 C215 C216 C217 C218 C219 C220 C221 C222 C223 C224 C225 C226 C227 C228 C229 C230 C231 C232 C233 C234 C235 C236 C237 C238 C239 C240 C241 C242 C243 C244 C245 C246 C247 C248 C249 C250 C251 C252 C253 C254 C255 C256: library part CMP-2100-03643-1, "Chip Capacitor, 0.1 uF, +/- 10%, 50 V, -55 to 125 degC, 0603 (1608 Metric), RoHS, Tape and Reel", Capacitance=100nF, Case Code (Imperial)=0603, Case Code (Metric)=1608, Dielectric=X7R, Dielectric Material=Ceramic, Insulation Resistance=10GR, Manufacturer=Murata, Max Operating Temperature=125degC, Min Operating Temperature=-55degC, Package Description="2-Pin Surface Mount Device, Body 1.6 x 0.8 mm", Package Quantity=1, Tolerance=10%, Voltage=50V, Case/Package=0603, Contact Plating=Tin, Datasheet URL=http://psearch.en.murata.com/capacitor/product/GRM188R71H104KA93%23.pdf, Datasheet Version=42675.0, Depth=0.8mm, Height=0.8mm, Lead Free=LeadFree, Length=1.6mm, Manufacturer URL=http://www.murata.com/, Material=Ceramic, Mount=SurfaceMount, Number of Pins=2, Package Reference=0603, Packaging=TapeandReel, Radiation Hardening=No, REACH SVHC=NoSVHC, RoHSCompliant=true, Termination=SMD/SMT, Thickness=0.035inch, Voltage Rating=50V, Voltage Rating (DC)=50V, Width=0.8mm
C257 C258: library part CMP-13271-000286-1, "Cap Ceramic 22uF 6.3V X5R ±20% SMD 0402 +85°C Paper T/R", Capacitance=22uF, Case Code (Imperial)=0402, Case Code (Metric)=1005, Max Operating Temperature=85°C, Min Operating Temperature=-55°C, Tolerance=20%, Voltage Rating=6.3V, Case/Package=0402, Length=0.039inch, Mount="Surface Mount", Packaging="Tape and Reel", Thickness=0.022inch, Width=0.02inch
E1: library part CMP-1559-01627-1, "OMNIMATE Signal - series PM", Colour=Orange, Manufacturer=Weidmueller, Rated_current_use_group_B_UL_1059="15 A", Rated_voltage_for_surge_voltage_class_pollution_degree_II_2="600 V", Rated_voltage_use_group_B_UL_1059="300 V", UL_94_flammability_rating=V-0, ComponentLink1Description="Manufacturer URL", ComponentLink1URL=http://www.weidmueller.com/, ComponentLink2Description="URL Link1", ComponentLink2URL=http://catalog.weidmueller.com/catalog/Start.do?localeId=en&ObjectID=1760490000, Contact_material=Cu-Leg, Contact_surface=tinned, Insulating_material="Wemid (PA)", Mounting_onto_the_PCB="Solder connection", No_of_poles=2, PackageReference=PM_5_08_90_02, Packaging=Box, PartNumber=1760490000, Pitch_inch="0,2 inch", Pitch_mm="5,08 mm", Qty="500 PCS", Revision=V1, Short_text_for_material="PM 5.08/02/90 3.5SN OR BX", Side_termination_characteristic="closed side", Solder_pin_length_mm="3,5 mm", Solid_max_H05_07_V_U="2,5 mm²", Solid_min_H05_07_V_U="0,13 mm²", Wire_cross_section_AWG_max_UL_1059="AWG 14", Wire_cross_section_AWG_min_UL_1059="AWG 26"
J1: library part CMP-245163-000002-1, "CONN USB 2.0 TYPE-C R/A SMT", Current Rating=3/4.25/1.25/0.25A, Manufacturer=GCT, Package=0, Temperature="-40°C to +85°C", Temperature Range High=+85°C, Temperature Range Low=-40°C, Voltage Rating=20V, Automotive=No, Category=Conn, ComponentLink2Description=Datasheet, ComponentLink2URL=https://gct.co/files/drawings/usb4110.pdf, Conn Orientation="Right Angle", Contact Material=Gold,Nickel, Device Class L1=Connectors, Device Class L2="USB Connectors", Device Class L3=unset, Digikey Description="CONN USB 2.0 TYPE-C R/A SMT", Height=3.46mm, Is Female=yes, Lead Free=Yes, Manufacturer Part Number=USB4110-GF-A, Number Of Contacts=16, Octopart=https://octopart.com/usb4110-gf-a-gct-103941985, RoHS=TRUE, Shielding=true, Standoff Height=0.1mm, Usb Standard="USB 2.0"
J2: library part CMP-070-000001-2, "CABLE ADAPTER 6 POS", Package=None, Availability=Unavailable, Component Type=Standard, Design Item ID=TC2030-IDC-NL, MP=TC2030-IDC-NL, Pin Count=6, Price=None, Source=TC2030-IDC-NL.SchLib
R1: library part CMP-1666-00005-4, "Chip Resistor, 10 KOhm, +/- 1%, 100 mW, -55 to 155 degC, 0603 (1608 Metric), RoHS, Tape and Reel", Manufacturer="Vishay Semiconductor", Max Operating Temperature="155 degC", Min Operating Temperature="-55 degC", Package Quantity=5000, Voltage Rating="75 V", ComponentLink1Description="Manufacturer URL", ComponentLink1URL=http://www.vishay.com/, ComponentLink2Description=Datasheet, ComponentLink2URL=https://datasheet.ciiva.com/11809/0900766b80d98afc-11809037.pdf, DatasheetVersion=06/2012, Height="0.45 mm", Length="1.55 mm", Mounting Technology="Surface Mount", PackageDescription="2-Pin Surface Mount Device, Body 1.575 x 0.85 mm", PackageReference=0603, Packaging="Tape and Reel", REACH SVHC=Unknown, RoHSCompliant=true
R2 R3: library part CMP-1012-00590-3, "RES Thick Film, 5.1kΩ, 1%, 0.1W, 100ppm/°C, 0603", Case Code (Imperial)=0603, Case Code (Metric)=1608, Max Operating Temperature=155°C, Min Operating Temperature=-55°C, Package Quantity=5000, Power Rating=100mW, Resistance=5.1kR, Temperature Coefficient=100ppm/°C, Tolerance=1%, Voltage Rating=75V, Case/Package=0603, Composition="Thick Film", Contact Plating=Tin, Depth=0.85mm, Height=0.45mm, Lead Free="Lead Free", Length=1.55mm, Military Standard=Not, Mount="Surface Mount", Packaging="Tape and Reel", Radiation Hardening=No, Termination=SMD/SMT, Voltage Rating (DC)=75V, Weight=7.1E-05oz, Width=0.85mm
SW1: library part CMP-03407-000005-1, "SWITCH TACTILE SPST-NO 0.05A 24V", Contact Current Rating=50mA, Contact Resistance=100mΩ, Manufacturer="TE Connectivity", Operating Force=180gf, Package=0, Temperature="-35°C to +85°C", Temperature Range High=+85°C, Temperature Range Low=-35°C, Voltage Rating Dc=24V, Automotive=No, Category=Switch, ComponentLink2Description=Datasheet, ComponentLink2URL=https://www.te.com/commerce/DocumentDelivery/DDEController?Action=showdoc&DocId=Customer+Drawing%7F147873%7FK3%7Fpdf%7FEnglish%7FENG_CD_147873_K3.pdf%7F147873-1, Device Class L1=Electromechanical, Device Class L2=Switches, Device Class L3="Tactile Switches", Digikey Description="SWITCH TACTILE SPST-NO 0.05A 24V", Electromechanical Life=40000Cycles, Height=5.5mm, Lead Free=Yes, Manufacturer Part Number=147873-1, Mount="Surface Mount", Mouser Description="Switch Tactile OFF (ON) SPST Rectangular Button J-Bend 0.05A 24VDC 1.77N SMD T/R", Octopart=https://octopart.com/147873-1-te+connectivity-40818451, RoHS=TRUE, Throw Configuration=SPST-NO
U1 U2 U3 U4 U5 U6 U7 U8 U9 U10 U11 U12 U13 U14 U15 U16 U17 U18 U19 U20 U21 U22 U23 U24 U25 U26 U27 U28 U29 U30 U31 U32 U33 U34 U35 U36 U37 U38 U39 U40 U41 U42 U43 U44 U45 U46 U47 U48 U49 U50 U51 U52 U53 U54 U55 U56 U57 U58 U59 U60 U61 U62 U63 U64 U65 U66 U67 U68 U69 U70 U71 U72 U73 U74 U75 U76 U77 U78 U79 U80 U81 U82 U83 U84 U85 U86 U87 U88 U89 U90 U91 U92 U93 U94 U95 U96 U97 U98 U99 U100 U101 U102 U103 U104 U105 U106 U107 U108 U109 U110 U111 U112 U113 U114 U115 U116 U117 U118 U119 U120 U121 U122 U123 U124 U125 U126 U127 U128 U129 U130 U131 U132 U133 U134 U135 U136 U137 U138 U139 U140 U141 U142 U143 U144 U145 U146 U147 U148 U149 U150 U151 U152 U153 U154 U155 U156 U157 U158 U159 U160 U161 U162 U163 U164 U165 U166 U167 U168 U169 U170 U171 U172 U173 U174 U175 U176 U177 U178 U179 U180 U181 U182 U183 U184 U185 U186 U187 U188 U189 U190 U191 U192 U193 U194 U195 U196 U197 U198 U199 U200 U201 U202 U203 U204 U205 U206 U207 U208 U209 U210 U211 U212 U213 U214 U215 U216 U217 U218 U219 U220 U221 U222 U223 U224 U225 U226 U227 U228 U229 U230 U231 U232 U233 U234 U235 U236 U237 U238 U239 U240 U241 U242 U243 U244 U245 U246 U247 U248 U249 U250 U251 U252 U253 U254 U255 U256: library part CMP-2000-05026-1, "Intelligent Control LED Integrated Light Source, 3.5 to 5.3 V, -25 to 80 degC, 4-Pin SMD, RoHS, Tape and Reel", Color=Red,Green,Blue(RGB), Manufacturer=Adafruit-Industries-LLC, Package Description="4-Pin Surface Mount Device, Body 5 x 5 mm", Category=Optoelectronics, Configuration=Discrete, Controller Type=-, Datasheet URL=http://datasheet.octopart.com/ADA1655-Adafruit-Industries-datasheet-32028139.pdf, Datasheet Version=May-13, Family=Addressable,Specialty, Interface=-, Manufacturer URL=https://www.adafruit.com/, Mounting Type=SurfaceMount, Number of LEDs=10, Package Reference=1655, Series=Neopixel, Size / Dimension=5.00mmLx5.00mmW, Utilized LED=WS2812(5050)
U257: "2.4 GHz Wi-Fi (802.11 b/g/n) and Bluetooth 5 (LE) module", Package=None, Availability=Unavailable, MF="{'manufacturer': u'Espressif Systems'}", MP=ESP32-S3-WROOM-1U, Price=None
U258: library part CMP-0062-01639-4, "800mA Low-Dropout Linear Regulator, 4-pin SOT-223, Pb-Free", Manufacturer="Texas Instruments", PackageTopMarking=XYTT*N05A, PowerWise=N, Code_IPC=SOT223-4, Code_JEDEC=TO-261-AA, ComponentLink1Description="Datasheet URL", ComponentLink1URL=http://www.ti.com/general/docs/lit/getliterature.tsp?genericPartNumber=LM1117-N&fileType=pdf, CompType="LDO IC", High-Reliability=Y, PackageDescription="Molded SOT-223, 6.50 x 3.56 x 1.6mm Body, 4 Lead, 2.3mm Pitch", PackageReference=DCY0004A, PartNumber=LM1117MPX-3.3/NOPB, PinCount=4, RoHS=Y

## Via types
v1: diameter 50, hole 23.62, Top Layer to Bottom Layer, 69 vias
v2: diameter 23.62, hole 14, Top Layer to Bottom Layer, 5 vias